# Altium PCB Omarichet_EPS - Copy.PcbDoc (part 2 of 3) (continued)
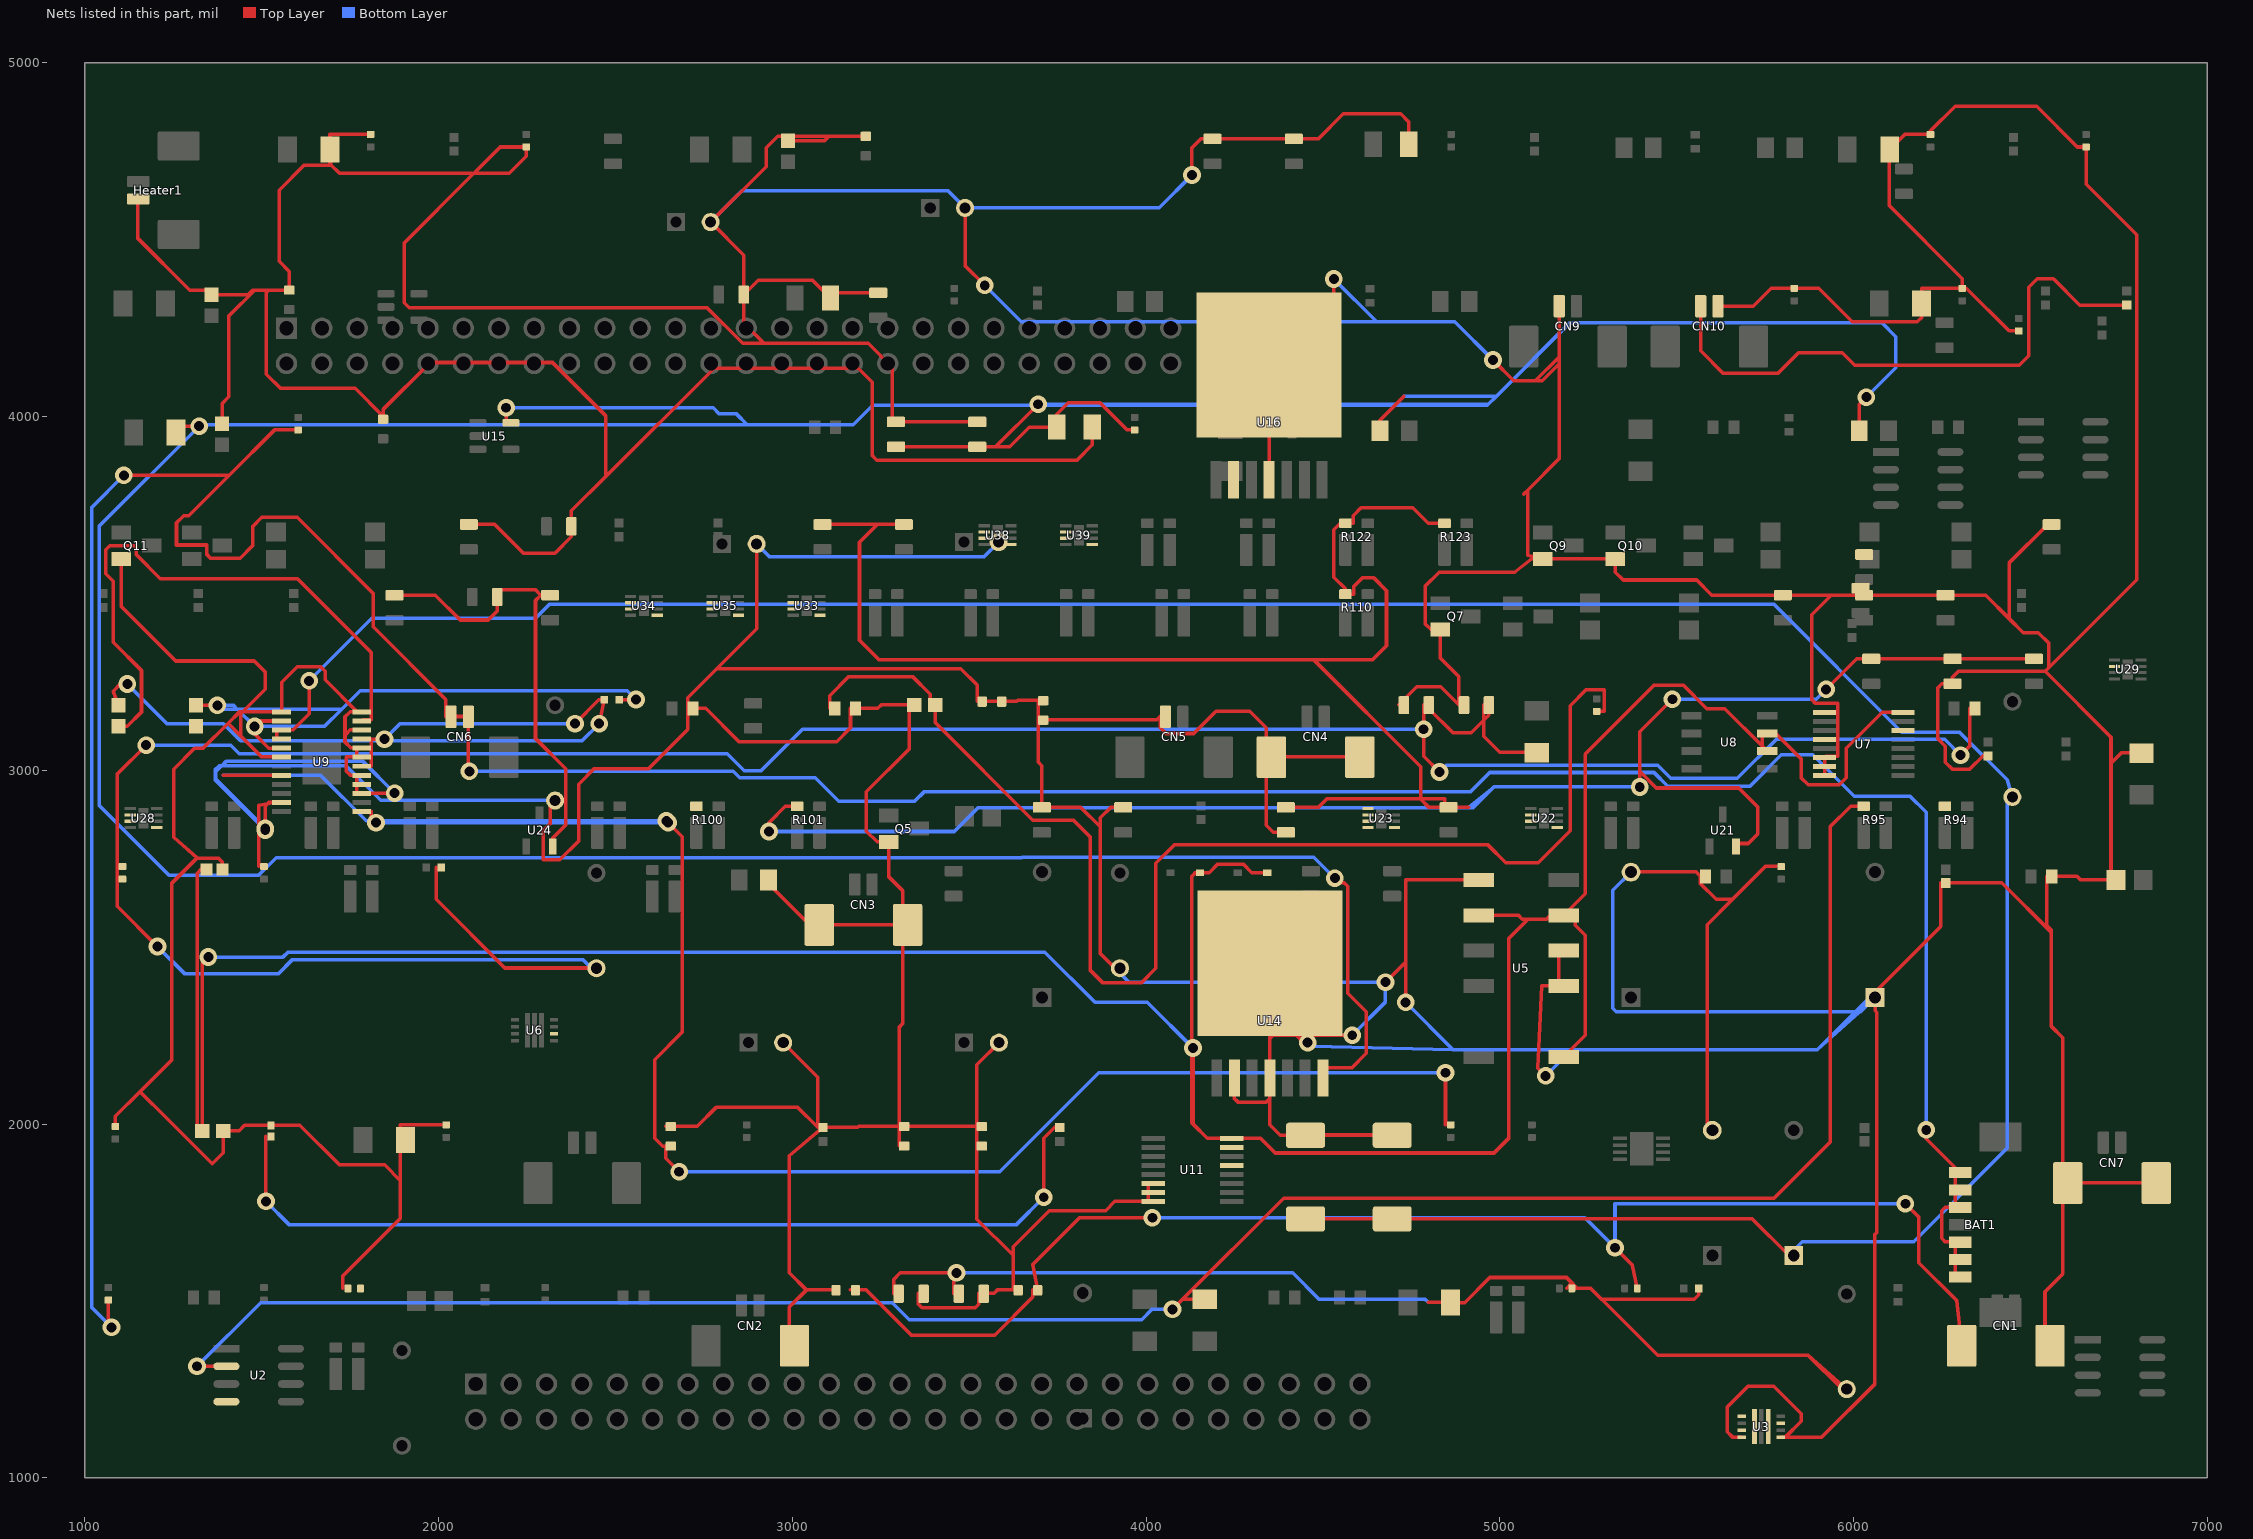
[diagram p2: the nets of this part, all layers, seen from the top]
## Part data (continued)
U9: library part LTC3119EUFD#PBF, "IC REG BCK BST ADJ 5A 28QFN", Manufacturer="Analog Devices / Linear Technology", Supplier Part Number 1=LTC3119EUFD#PBF-ND, ComponentLink1Description=http://www.linear.com/docs/56069?src-supplier=Digi-Key, ComponentLink1URL=http://www.linear.com/docs/56069?src-supplier=Digi-Key, Manufacturer Part Number=LTC3119EUFD#PBF, Pricing 1="1=14.26, 10=13.105, 25=12.5616, 100=10.5245, 250=9.8455, 500=9.1665, 1000=9.0307 (USD)", RoHS Compliant=Yes, Stock 1=0, Supplier 1=Digi-Key
U10: library part CMP-019-00012-3, "Lithium Ion Battery Charger for Solar-Powered System, 4.4 to 6 V, 650 uA, -40 to 85 degC, 8-Pin DFN, RoHS", Case/Package=DFN-8, Manufacturer="Consonance Electronic", Package Description="8-Pin Small Outline No-lead Package, Body 3 x 3 mm, Pitch 0.5 mm", Datasheet URL=http://www.consonance-elec.com/pdf/datasheet/DSE-CN3065.pdf, Datasheet Version="Rev. 1.0, 09/2009", Manufacturer URL=http://www.consonance-elec.com/, Mounting Technology=SM, Package Reference=DFN-8, RoHS Compliant=Unknown
U14 U16: library part LMZ22005TZX/NOPB, "DC DC CONVERTER 0.8-6V", Manufacturer="TI National Semiconductor", Max Input Voltage=20V, Max Operating Temperature=85°C, Max Power Dissipation=30W, Min Input Voltage=6V, Min Operating Temperature=-40°C, Output Current=5A, Package Quantity=500, Supplier Part Number 1=296-43603-1-ND, Switching Frequency=950kHz, ComponentLink1Description=http://www.ti.com/lit/ds/symlink/lmz22005.pdf?src-supplier=Digi-Key, ComponentLink1URL=http://www.ti.com/lit/ds/symlink/lmz22005.pdf?src-supplier=Digi-Key, Contact Plating=Tin,Matte, Efficiency=92%, Features=UVLO, Height=0.18inch, Lead Free="Lead Free", Length=0.4inch, Manufacturer Part Number=LMZ22005TZX/NOPB, Mount="Surface Mount", Number of Outputs=1, Number of Pins=7, Output Power=30W, Output Voltage=6V, Packaging="Tape and Reel", Pricing 1="1=9.19, 5=9.124, 10=9.055, 25=8.9156, 50=8.637, 100=7.8012, 250=7.6619 (USD)", Stock 1=2457, Supplier 1=Digi-Key, Voltage - Output 1=6V, Width=0.54inch
U15 U17: library part LT6106HS5#TRPBF, "IC OPAMP CURR SENSE TSOT23-5", Current - Supply=70µA, Manufacturer="Linear Technology", Manufacturer Part Number=LT6106HS5#TRMPBF, Operating Temperature="-40°C ~ 125°C", Package / Case="SOT-23-5 Thin, TSOT-23-5", Supplier Device Package=TSOT-23-5, Supplier Part Number 1=LT6106HS5#TRMPBFCT-ND, Voltage - Supply, Single/Dual (±)="2.7 V ~ 36 V", Amplifier Type="Current Sense", Base Part Number=LT6106, Category="Integrated Circuits (ICs)", ComponentLink1Description=http://www.linear.com/docs/24992, ComponentLink1URL=http://www.linear.com/docs/24992, Mounting Type="Surface Mount", Output Type=-, Packaging="Cut Tape (CT)", Part Status=Active, Pricing 1="1=2.3, 25=2.0504, 100=1.3586, 250=1.24544 (USD)", RoHS="RoHS Compliant", Slew Rate=-, Stock 1=7462, Supplier 1=Digi-Key
U21 U24: "MOSFET N-CH 25V 5.8A SOT23", Case/Package=SOT-23, Continuous Drain Current (ID)=5.8A, Drain to Source Breakdown Voltage=25V, Drain to Source Resistance=41mR, Gate to Source Voltage (Vgs)=20V, Input Capacitance=430pF, Manufacturer="International Rectifier", Max Operating Temperature=150°C, Max Power Dissipation=1.25W, Min Operating Temperature=-55°C, On-State Resistance=41MR, Package Quantity=1, Supplier Part Number 1=IRFML8244TRPBFCT-ND, Threshold Voltage=1.7V, ComponentLink1Description=http://farnell.com//datasheets/1911843.pdf?src-supplier=Farnell, ComponentLink1URL=http://farnell.com//datasheets/1911843.pdf?src-supplier=Farnell, Drain to Source Voltage (Vdss)=25V, Element Configuration=Single, Fall Time=2.9ns, Height=1.02mm, Lead Free="Lead Free", Length=3.04mm, Manufacturer Part Number=IRFML8244TRPBF, Mount="Surface Mount", Nominal Vgs=1.7V, Number of Elements=1, Number of Pins=3, Packaging="Tape and Reel", Power Dissipation=1.25W, Pricing 1="1=0.47, 10=0.357, 25=0.3216, 100=0.1697, 500=0.1503, 1000=0.117 (USD)", Radiation Hardening=No, Rds On Max=24mR, REACH SVHC="No SVHC", Recovery Time=17ns, Rise Time=2.1ns, Stock 1=12011, Supplier 1=Digi-Key, Turn-Off Delay Time=9ns, Turn-On Delay Time=2.7ns, Width=1.4mm
U22 U23 U28 U29 U33 U34 U35 U38 U39: library part LTC4361HTS8-2#TRMPBF, "IC OVERVOLT PROT CONT TSOT23-8", Base Part Number=LTC4361-2, Current - Supply=220µA, Manufacturer="Linear Technology", Manufacturer Part Number=LTC4361ITS8-2#TRMPBF, Operating Temperature="-40°C ~ 85°C", Package / Case="SOT-23-8 Thin, TSOT-23-8", Supplier Device Package=TSOT-23-8, Supplier Part Number 1=LTC4361ITS8-2#TRMPBFCT-ND, Voltage - Supply="2.5 V ~ 80 V", Applications="Handheld/Mobile Devices", Category="Integrated Circuits (ICs)", ComponentLink1Description=http://www.linear.com/docs/29266, ComponentLink1URL=http://www.linear.com/docs/29266, Mounting Type="Surface Mount", Packaging="Cut Tape (CT)", Part Status=Active, Pricing 1="1=3.87, 25=3.4596, 100=2.2889, 250=2.09816 (USD)", RoHS="RoHS Compliant", Stock 1=1487, Supplier 1=Digi-Key

## Via types
v1: diameter 50, hole 28, Top Layer to Bottom Layer, 190 vias

## Nets (pads, with @x,y where several pads share a name; then routed paths per layer and width w, separated by ;. In a path a pad name is that pad's centre, name@x,y a point inside that pad or via, vN(x,y) a via of type N, cw(c..) or ccw(c..) an arc to the next point about the centre after c; other vN are vias at no path point)
3V3_1_COM: C23.1 C24.1 C25.1 R56.1 R59.2 R60.1 R62.1 R65.2 U14.7 U15.5 | length 14220.6
  Top Layer w10: R65.2@1257.95,3955 1257.95,3973 v1(1323,3973) ; v1(2191,4025) 2191,3982.4 U15.5@2204.57,3982.4 ; C23.1@3292.91,3914.57 C24.1@3522.91,3914.57 3574.57,3914.57 ; v1(3695,4035) 3574.57,3914.57 ; R62.1@3967.91,3962.28 3946.72,3962.28 3870,4039 3780,4039 3747.72,4006.72 C25.1@3747.72,3970 3669.75,3970 3614.31,3914.57 3574.57,3914.57 ; U14.7@4500,2130 4500,2158.5 4581.5,2158.5 4623,2200 4623,2317 4570,2370 4570,2672 4560,2682 4534,2682 v1(4534,2695) ; R60.1@4661.57,3960 4661.57,3990 4728.57,4057 ; R56.1@6016.57,3960 6016.57,4035 v1(6036.57,4055)
  Bottom Layer w10: v1(2191,4025) 2776.09,4025 2792.48,4008.61 2840.86,4008.61 2872.48,3977 ; v1(3695,4035) 4967.94,4035 ; v1(4534,2695) 4474.51,2754.49 3650,2754.49 3648.51,2753 1541,2753 1491,2703 1237.94,2703 1040,2900.94 1040,3690 v1(1323,3973) 1327,3977 2872.48,3977 ; 4728.57,4057 4989.94,4057 ; v1(6036.57,4055) 6120,4138.43 6120,4226 6080,4266 5198.94,4266 4989.94,4057 ; 2872.48,3977 3172,3977 3227,4032 3695,4032 4964.94,4032 4967.94,4035 ; 4967.94,4035 4989.94,4057
3V3_BUS: R94.3 U22.3 U22.5
3V3_COM: R10.2 R95.3 U2.2 U2.4 U23.3 U23.5 | length 6075.9
  Top Layer w10: v1(1317,1315) U2.2@1400,1315 ; v1(4075,1476) 4103.06,1504.06 ; R10.2@4166.18,1504.06 4103.06,1504.06 ; R95.3@6028.94,2898.15 5992.15,2898.15 5934,2840 5934,1948.37 5775.63,1790 4389,1790 4103.06,1504.06
  Bottom Layer w10: v1(1317,1315) 1497,1495 3283,1495 3331,1447 3988,1447 4017,1476 v1(4075,1476)
3V3_COM_1: R100.3
+5V: C6.1 C21.1 D3.2 D4.2 U5.1 U5.5 U5.8 U7.16 U8.6 U8.7 U11.16 | length 9431.7
  Top Layer w10: C21.1@1317.22,1980.75 1317.22,2708.86 C6.1@1329.11,2720.75 ; C21.1@1331.66,1980 1331.66,2454.66 v1(1349,2472) ; v1(4133,2215) 4133,2000 ; 4138.29,2710.75 4179,2710.75 4203.25,2735 4275,2735 4299.25,2710.75 4328.29,2710.75 ; D3.2@4152.72,2710 4140,2710 4130,2700 4130,2003 4133,2000 ; U11.16@4227.75,1960.31 4322.69,1960.31 4365.01,1918 4984,1918 5024.98,1958.98 5024.98,2523.98 5080,2579 ; U11.16@4242.18,1959.57 4173.43,1959.57 4133,2000 ; U5.8@4926.67,2590.75 5052.37,2590.75 5064.11,2579 5080,2579 ; U5.5@5166.83,2590.75 5144.11,2590.75 5132.37,2579 5080,2579 ; U5.1@5181.26,2190 5242,2250.74 5242,2534 5214,2562 5214,2590 U5.5@5181.26,2590 5242,2650.74 5242,3046 5437,3241 5519,3241 5585.75,3174.25 5636.68,3174.25 5742.25,3068.69 ; U8.6@5756.68,3054.25 5742.25,3068.69 ; U7.16@6140.43,3163.82 6081.82,3163.82 5980,3062 5980,2979 5960,2959 5872,2959 5853.17,2977.83 5853.17,3031.08 5780,3104.25 U8.7@5756.68,3104.25 5742.25,3104.25 5742.25,3068.69
  Bottom Layer w10: v1(1349,2472) 1560,2472 1574,2486 3714,2486 3856,2344 4004,2344 v1(4133,2215)
+5V_BUS: C44.2 C46.2 C49.2 C50.2 C52.2 C57.2 C59.2 C61.2 C66.2 C68.2 R101.3 R110.3 R122.3 R123.3 U21.2 U22.2 U23.2 U24.2 U28.2 U28.3 U28.5 U29.2 U33.2 U33.3 U33.5 U34.2 U34.3 U34.5 U35.2 U35.3 U35.5 U38.2 U38.3 U38.5 U39.2 U39.3 U39.5 | length 10072
  Top Layer w10: C59.2@1875.43,3495.04 1991,3495.04 2061.14,3424.9 2140,3424.9 2165.47,3450.38 C61.2@2165.47,3490 2165.47,3510.07 2274.01,3510.07 2289.04,3495.04 ; C57.2@2315.43,3495.04 2289.04,3495.04 ; U24.2@2322.83,2785 2322.83,2808.79 2359.42,2845.37 2359.42,3004.42 2274,3089.84 2274,3480 2289.04,3495.04 ; v1(2934,2827) 2934,2852.15 2980,2898.15 R101.3@3013.94,2898.15 ; C66.2@3085.43,3695.04 3240,3695.04 ; C68.2@3315.43,3695.04 3240,3695.04 ; C46.2@4395.43,2895.04 4487,2895.04 4510.96,2919 4776.96,2919 ; R123.3@4843.94,3698.15 4797.85,3698.15 4754,3742 4608,3742 4586,3720 4586,3698.15 R122.3@4563.94,3698.15 4549.15,3698.15 4531,3680 4531,3546 4563,3514 4563,3498.15 R110.3@4563.94,3498.15 4588,3498.15 4588,3520 4613,3545 4643,3545 4680,3508 4680,3352 4640,3312 4475,3312 ; 4911.96,2895.04 C44.2@4855.43,2895.04 C44.2@4845,2895.04 ; v1(5396,2953) 5396,2997 ; v1(5488,3201) 5396,3109 5396,2997 ; U21.2@5667.83,2785 5667.83,2793 5703,2793 5730,2820 5730,2896.29 5676.29,2950 5443,2950 5396,2997 ; v1(5922.96,3229) 6009,3315.04 C52.2@6050.43,3315.04 C49.2@6280.43,3315.04 C50.2@6510.43,3315.04 ; 3240,3695.04 3190,3645.04 3190,3368 3246,3312 4475,3312 ; 4475,3312 4776.96,3010.04 4776.96,2919 ; 4776.96,2919 4776.96,2918.08 4800,2895.04 C44.2@4845,2895.04 ; 4776.96,2919 4845,2919 C44.2@4845,2895.04
  Bottom Layer w10: v1(2934,2827) 3458,2827 3525,2894 4925,2894 4984,2953 ; 4911.96,2895.04 4984,2953 ; v1(5396,2953) 4984,2953 ; v1(5488,3201) 5894.96,3201 v1(5922.96,3229)
+8.82Vout2: C7.2 C8.2 D6.1 L2.2 R35.2 R36.1 R36.2 R41.1 U6.5 | length 8648.1
  Top Layer w10: v1(1173,3071) 1091.75,2989.75 1091.75,2692.28 1091.75,2615.25 v1(1205,2502) ; 1992.91,2725.75 1992.91,2635.09 2186.9,2441.1 D6.1@2431.75,2441.1 ; C7.2@4785.04,3185 v1(4785.04,3116) 4785.04,3039.96 v1(4830,2995) ; C7.2@4799.47,3184.25 4799.47,3174.37 4867.84,3106 4920,3106 4955.04,3141.04 ; C8.2@4955.04,3185 4955.04,3141.04 ; C8.2@4969.47,3184.25 4969.47,3155.47 4955.04,3141.04 ; R41.1@5090,3050.94 5000,3050.94 4955.04,3095.9 4955.04,3141.04 ; v1(6303,3043) 6329.53,3069.53 6329.53,3174.25 R35.2@6329.53,3175
  Bottom Layer w10: v1(1173,3071) 1412.75,3071 1436.75,3047 2815.83,3047 2864.3,2998.53 2911.53,2998.53 3029,3116 v1(4785.04,3116) ; v1(1205,2502) 1282.79,2424.21 1546.14,2424.21 1586.93,2465 2407.85,2465 D6.1@2431.75,2441.1 ; v1(4830,2995) 4848.83,3013.83 5447.29,3013.83 5483.8,2977.32 5671.9,2977.32 5782.58,3088 6258,3088 v1(6303,3043)
+8.82Vout3: C15.1 C16.1 D8.1 R47.1 U9.3 U9.4 | length 8522.9
  Top Layer w10: U9.4@1541.75,3088.98 U9.3@1541.75,3114.57 ; U9.3@1556.18,3113.82 1588.57,3114.57 1634,3160 v1(1634,3253) ; C16.1@4436.75,1732.64 5712.69,1732.64 R47.1@5816.75,1628.58
  Bottom Layer w10: v1(1634,3253) 1811,3430 2274,3430 2314,3470 5775,3470 6137,3108 6300,3108 6435,2973 D8.1@6449.43,2924.61 ; R47.1@5816.75,1628.58 5855.7,1667.53 6170.53,1667.53 6435,1932 D8.1@6435,2925.35
BATT_+: BAT1.1 BAT1.2 BAT1.3 BAT1.5 BAT1.6 BAT1.7 CN6.1 CN6.2 R16.1 R64.1 | length 10481.5
  Top Layer w10: R16.1@1066.18,1502.28 1066.18,1433.82 v1(1075,1425) ; v1(1110,3834) 1407.78,3834 ; R64.1@1602.91,3962.28 1536.06,3962.28 1407.78,3834 ; CN6.2@2069.61,3152.09 2020.39,3152.09 2020.39,3200 1815,3405.39 1815,3500 1600,3715 1500,3715 1474,3689 1474,3635 1439,3600 1355,3600 1345,3610 1345,3637 1259,3637 1259,3700 1279,3720 1293.78,3720 1407.78,3834 ; CN6.2@2084.04,3151.34 2084.04,2999.96 v1(2087,2997) ; v1(6206,1983.39) 6206,1958.65 BAT1.7@6302.01,1862.64 ; BAT1.1@6287.58,1568.11 6287.58,1665.79 6287.58,1666.54 6260,1666.54 6250,1676.54 6250,1754.96 6260,1764.96 6287.58,1764.96 BAT1.7@6287.58,1863.39
  Bottom Layer w10: v1(1075,1425) 1020,1480 1020,3744 v1(1110,3834) ; v1(2087,2997) 2832.83,2997 2851.3,2978.53 3064.47,2978.53 3130.93,2912.07 3345.68,2912.07 3373.61,2940 4918,2940 4971.83,2993.83 5436.18,2993.83 5475.01,2955 5707.83,2955 5796.35,3043.52 5885.48,3043.52 6002,2927 6160,2927 6206,2881 v1(6206,1983.39)
GND: C1.1 C2.1 C3.2 C4.2 C5.1 C6.2 C7.1 C8.1 C9.1 C9.2 C10.1 C10.2 C11.1 C15.2 C16.2 C17.1 C17.2 C18.1 C18.2 C19.2 C20.2 C21.2 C22.2 C23.2 C24.2 C25.2 C26.2 C27.2 C28.2 C29.2 C30.2 C31.2 C32.2 C33.2 C34.2 C35.2 C36.2 C37.2 C38.2 C39.2 C40.2 C41.2 C42.2 C43.2 C46.1 C47.2 C48.2 C49.1 C54.2 C55.2 C56.2 C63.2 C64.2 C65.2 C70.2 C71.2 CN1.MP2 CN2.MP2 CN3.MP1 CN3.MP2 CN4.MP1 CN4.MP2 CN5.1 CN7.MP1 CN7.MP2 CN9.1 CN10.2 D5.1 D7.1 Heater1.1 Q5.2 Q7.2 Q9.2 Q10.2 Q11.2 R17.2 R19.1 R20.2 R21.1 R22.1 R23.1 R24.2 R25.1 R26.2 R31.2 R34.2 R42.2 R43.2 R46.2 R52.2 R53.2 R54.2 R67.1 R71.2 R72.2 R73.2 R80.1 R82.2 R83.2 R90.1 R92.2 R93.2 U3.3 U3.4 U3.11 U5.3 U5.4 U5.7 U7.6 U7.7 U7.8 U9.1 U9.6 U9.11 U9.15 U9.16 U9.17 U9.19 U9.20 U9.22 U9.24 U11.6 U11.7 U11.8 U14.2 U14.4 U14.8 U16.2 U16.4 U16.8 U23.1 U23.4 | length 56875.8
  Top Layer w10: C22.2@1086.18,1992.72 1086.18,2021.58 1155.8,2091.2 ; Q11.2@1102.13,3597.6 1103,3597.6 1103,3463 1256.94,3309.06 1478.94,3309.06 1510,3278 1510,3228.75 1446.32,3165.07 ; Heater1.1@1150.83,4615.39 1150,4615.39 1150,4503.53 1296.53,4357 1357.91,4357 C36.2@1357.91,4344.53 1461,4344.53 1474.03,4357.56 1480,4357.56 ; C21.2@1376.28,1980.75 1436,1980.75 1451.35,1996.1 1607.9,1996.1 1719.67,1884.33 1847.46,1884.33 1891.79,1840 ; C29.2@1387.91,3979.53 1387.91,4036.91 1407,4056 1407,4284.56 1480,4357.56 ; C6.2@1388.82,2720 1388.82,2740 1376.82,2752 1317,2752 ; C21.2@1390.71,1980 1390.71,1918.71 1360,1888 1231,2016 1155.8,2091.2 ; 1491.75,2728.46 1491.75,2901.59 1515.7,2905.54 ; v1(1510,2831) v1(1510,2836) 1510,2899.09 ; U9.6@1541.75,3037.8 1500,3037.8 1440,3097.8 ; U9.1@1541.75,3165.75 1446.32,3165.07 ; U9.11@1556.18,2909.09 U9.11@1537.22,2909.09 ; 1729.03,1535.75 1729.03,1570.24 1891.79,1733 1891.79,1840 ; U9.15@1768.25,2935.43 1768.25,2961.02 1768.25,2986.61 1750,2986.61 1739.39,2997.23 1739.39,3037.18 1740,3037.8 1768.25,3037.8 1768.25,3063.39 1751.81,3063.39 1735.34,3079.85 1735.34,3100 ; U9.22@1768.25,3114.57 1749.91,3114.57 1735.34,3100 ; U9.24@1768.25,3165.75 1750,3165.75 1735.34,3151.09 1735.34,3100 ; U9.15@1782.68,2934.69 v1(1875.65,2935.43) ; U9.24@1782.68,3165 1769.82,3165 1679.28,3255.53 1679.28,3280 1666.28,3293 1600,3293 1556.18,3249.18 U9.1@1556.18,3165 1446.25,3165 ; R92.2@1807.91,4797.72 1692.95,4797.72 R93.2@1692.95,4755 ; C28.2@1842.91,3992.56 C28.2@1842.91,4001 ; 2006.75,1998.46 1891.79,1998.46 1891.79,1840 ; C70.2@2085.43,3695.04 2158.37,3695.04 2240,3613.41 2328.88,3613.41 2375.47,3660 C71.2@2375.47,3690 2375.47,3733.47 2472,3830 ; D7.1@2315,2915.35 2315,2849 2296,2830 2296,2747 2343,2747 2396,2800 2396,2961 2440,3005 2594,3005 2704.53,3115.53 R43.2@2704.53,3175 ; C19.2@2641.75,1993.31 2731.31,1993.31 2785.88,2047.88 3014.31,2047.88 3071.75,1990.43 ; C33.2@2899.21,3640 2899.21,3400 2786.21,3287 ; R31.2@2932.52,2690 2932.52,2679 3048.61,2562.91 CN3.MP1@3076.18,2562.91 ; C26.2@2974.21,2230 3071.75,2132.46 3071.75,1990.43 ; C43.2@2987.91,4779.53 3091,4779.53 3104.03,4792.56 ; CN2.MP2@2991.75,1373.66 2991.75,1482.5 3040,1530.75 ; R52.2@3086.18,1989.69 2991.75,1910.43 2991.75,1579 3040,1530.75 ; 3109.19,1530.75 3040,1530.75 ; C2.1@3123.62,1530 3040,1530.75 ; C42.2@3207.91,4792.56 3104.03,4792.56 ; C30.2@3242.91,4350.04 3108.11,4350.04 C32.2@3108.11,4335 3057.11,4386 2903.95,4386 C31.2@2862.95,4345 ; C17.1@3301.75,1938.19 C17.2@3301.75,1993.31 ; C3.2@3356.79,1520.75 3356.79,1490 3366.79,1480 3516.79,1480 3526.79,1490 3526.79,1521.89 3571.15,1521.89 3580,1530.75 3624.19,1530.75 3624.19,1628.6 ; C41.2@3488.43,4590 3488.43,4426.57 v1(3544,4371) ; C24.2@3522.91,3985.04 C23.2@3292.91,3985.04 3282,3985.04 3282,4140 3215,4207 2920,4207 ; C27.2@3584.21,2230 3521.75,2167.54 C18.2@3521.75,1993.31 ; C25.2@3848.11,3970 3848.11,3920 3805.11,3877 3239,3877 3226,3890 3226,4097 3186,4137 2779,4137 2472,3830 ; D5.1@3911.75,2441.1 3871,2481.85 3871,2840 ; C47.2@3935.43,2895.04 3900,2895.04 3871,2866.04 3871,2840 ; U11.6@4005.75,1832.36 4005.75,1781.18 3912,1781.18 3885.82,1755 3726,1755 3624.19,1653.19 3624.19,1628.6 ; v1(4130,4683) 4130,4760 4155.04,4785.04 C37.2@4187.91,4785.04 C38.2@4417.91,4785.04 4487,4785.04 4557.96,4856 4720,4856 4743.11,4832.89 C39.2@4743.11,4770 ; U14.2@4250,2130 4250,2072 4260,2062 4340,2062 4350,2072 ; U16.4@4347.91,3821.5 U16.8@4347.91,4146 4531,4329.09 v1(4531,4389) ; U14.8@4350,2454.5 4350,2241 ; C46.1@4395.43,2824.57 4360,2824.57 4340,2844.57 CN4.MP1@4340,3037.91 ; U14.8@4404.21,2271.1 U14.8@4424.31,2251 ; C16.2@4436.75,1968.86 C15.2@4681.75,1968.86 ; C16.2@4451.18,1968.11 4380,1968.11 4350,1998.11 4350,2072 ; v1(4457,2230) 4445.31,2230 U14.8@4424.31,2251 ; v1(4583,2251) U14.8@4424.31,2251 ; CN4.MP2@4590,3037.91 CN4.MP1@4340,3037.91 ; v1(4677,2401) 4734,2458 ; C7.1@4714.57,3185 4765.57,3236 4833.57,3236 4884.57,3185 4884.57,3265 4832.13,3317.44 Q7.2@4832.13,3397.6 4806,3397.6 4789,3414.6 4789,3520 4829,3560 5042,3560 5090,3597.6 Q9.2@5122.13,3597.6 ; v1(4734,2344) 4734,2458 ; U5.7@4926.67,2690.75 4734.75,2690.75 4734,2690 4734,2458 ; v1(4981,4160) 5040,4101 5100.91,4101 ; 5067.91,3781 5079,3792.09 ; v1(5130,2136) 5108,2158 5118.75,2390.75 5166.83,2390.75 U5.4@5166.83,2490.75 ; CN9.1@5168.31,4312.09 5168.31,4168.39 ; R26.2@5356.75,2712.91 5555.06,2712.91 5567.22,2700.75 5567.22,2680 5612.22,2635 5658,2635 ; R46.2@5586.75,1982.91 5586.75,2563.75 5658,2635 ; CN10.2@5617.52,4312.09 5617.52,4312 5717,4312 5767.72,4362.72 R71.2@5832.91,4362.72 5902,4362.72 5996.72,4268 6180.95,4268 6192.95,4280 R72.2@6192.95,4320 6192.95,4362.72 R73.2@6307.91,4362.72 ; U3.11@5684.43,1114.88 5658.12,1114.88 5643,1130 5643,1200 5702,1259 5774.88,1259 5853,1180.88 5853,1159.88 5808,1114.88 ; 5781.75,2728.46 5751.46,2728.46 5658,2635 ; U3.4@5794.67,1114.88 5808,1114.88 ; U7.8@5918.43,2984.69 U7.7@5918.43,3010.28 U7.6@5918.43,3035.87 5922.57,3040 5956,3040 5956,3189 5893,3189 5882,3200 5882,3440 5937.04,3495.04 ; R23.1@6046.75,2358.58 6246.75,2558.58 6246.75,2682.05 6419.58,2682.05 6560,2541.63 ; R23.1@6061.18,2357.83 6061.18,2321.19 6066,2316.38 6066,1693 6061,1688 6061,1265 5910.88,1114.88 5808,1114.88 ; C49.1@6280.43,3244.57 C49.1@6280,3244.57 ; 6366.75,3041.06 6328.27,3002.58 6280,3002.58 6260,3022.58 6260,3068 6239,3089 6239,3233.57 6250,3244.57 C49.1@6280,3244.57 ; R67.1@6467.91,4242.28 6440,4242.28 6319.57,4362.72 R73.2@6307.91,4362.72 ; CN1.MP2@6541.75,1373.66 6541.75,1526 6591.75,1576 CN7.MP1@6591.75,1833.66 ; C64.2@6560.43,3695.04 6549,3695.04 6440,3586.04 6440,3429.04 ; R17.2@6800,3049.06 6757.42,3049.06 6728.36,3020 ; CN7.MP2@6841.75,1833.66 CN7.MP1@6591.75,1833.66 ; 1155.8,2091.2 1245,2180.4 1245,2680 1317,2752 ; 1317,2752 1251,2810.83 1251,3003 1310,3062 1334,3062 1404.9,3132.9 ; 1404.9,3132.9 1437,3165 ; 1404.9,3132.9 1440,3097.8 ; 1437,3165 1446.25,3165 ; 1437,3165 1446.32,3165.07 ; 1440,3097.8 1440,3158.75 1446.25,3165 ; 1446.25,3165 1446.32,3165.07 ; 1480,4357.56 1520,4357.56 ; 1510,2899.09 1516.6,2905.69 ; 1510,2899.09 1510,2899.84 1515.7,2905.54 ; 1515.7,2905.54 1516.6,2905.69 ; 1515.7,2905.54 1520,2909.84 1541.75,2909.84 U9.11@1537.22,2909.09 ; 1516.6,2905.69 U9.11@1537.22,2909.09 ; 1516.6,2905.69 1520,2909.09 U9.11@1537.22,2909.09 ; 1520,4357.56 C35.2@1577.91,4357.56 1577.91,4410.09 1549,4439 1549,4640 1619,4710 1692.95,4710 1695.48,4712.52 ; 1520,4357.56 1513,4350.56 1513,4120 1553,4080 1763.91,4080 C28.2@1842.91,4001 ; R93.2@1692.95,4755 1695.48,4712.52 ; R93.2@1692.95,4755 1692.95,4715.05 1695.48,4712.52 ; 1695.48,4712.52 1720,4688 2094,4688 2097,4685 ; C28.2@1842.91,4001 1842.91,4020 1975.91,4153 2322,4153 2472,4003 2472,3830 ; 2097,4685 2100,4688 ; 2097,4685 1902.99,4490.99 1902.99,4322.01 1917,4308 2759,4308 2860,4207 2920,4207 ; 2100,4688 2174.28,4762.28 R90.1@2247.91,4762.28 2247.91,4735.91 2200,4688 2100,4688 ; R43.2@2704.53,3175 2755,3175 2849.14,3080.86 3125.39,3080.86 3164.53,3120 3164.53,3175 3242,3175 3252,3185 3330.47,3185 3330.47,3060.04 3209.57,2939.14 3209.57,2828.03 3240,2797.6 Q5.2@3272.13,2797.6 3272.13,2699.62 3311.75,2660 CN3.MP2@3311.75,2563.66 ; R43.2@2704.53,3175 2704.53,3205.32 2786.21,3287 ; 2786.21,3287 3476.44,3287 3522.44,3241 3522.44,3195 3635,3195 3637.56,3197.56 3695,3197.56 C10.1@3695,3142.44 ; C31.2@2862.95,4345 2862.95,4264.05 2920,4207 ; C31.2@2862.95,4345 2862.95,4456.26 C40.2@2769.21,4550 2926,4706.79 2926,4760 2958.56,4792.56 3104.03,4792.56 ; 3071.75,1990.43 3185,1990.43 3187.87,1993.31 C17.2@3301.75,1993.31 ; CN3.MP1@3076.18,2562.91 CN3.MP2@3311.75,2562.91 ; CN3.MP1@3076.18,2562.91 3076.18,2563.66 CN3.MP2@3311.75,2563.66 ; C17.2@3301.75,1993.31 C18.2@3521.75,1993.31 ; C17.2@3301.75,1993.31 3301.75,2273 3311.75,2283 CN3.MP2@3311.75,2562.91 ; CN3.MP2@3311.75,2562.91 CN3.MP2@3326.18,2562.91 3326.18,2563.66 CN3.MP2@3311.75,2563.66 ; CN3.MP2@3311.75,2562.91 CN3.MP2@3311.75,2563.66 ; C18.2@3521.75,1993.31 3521.75,1731.04 3624.19,1628.6 ; C10.1@3695,3142.44 4030.75,3142.44 4040.39,3152.09 4040.39,3120 4056.39,3104 4135,3104 4198,3167 4293,3167 4340,3120 CN4.MP1@4340,3037.91 ; C10.1@3695,3142.44 3695,3023.43 3705.43,3013 C48.2@3705.43,2895.04 3815.96,2895.04 3871,2840 ; 4350,2072 U14.4@4350,2130 4350,2241 ; 4350,2241 4360,2251 U14.8@4424.31,2251 ; 5079,3792.09 5168.31,3881.39 5168.31,4149.31 ; 5079,3792.09 5079,3608.6 Q9.2@5122.13,3597.6 ; 5100.91,4101 5120,4101 5168.31,4149.31 ; 5100.91,4101 5168.31,4168.39 ; Q9.2@5122.13,3597.6 Q10.2@5327.13,3597.6 5327.13,3560 5349.13,3538 5557.04,3538 5600,3495.04 C56.2@5800.43,3495.04 5937.04,3495.04 ; 5168.31,4149.31 5168.31,4168.39 ; 5937.04,3495.04 C54.2@6030.43,3495.04 C55.2@6260.43,3495.04 6374,3495.04 6440,3429.04 ; C49.1@6280,3244.57 6280,3263 6297,3280 6542,3280 ; R73.2@6307.91,4362.72 6307.91,4390.09 6102,4596 6102,4745 6102.95,4745 R83.2@6102.95,4755 6145.67,4797.72 R82.2@6217.91,4797.72 6217.91,4807.91 6287.48,4877.48 6518,4877.48 6633.2,4762.28 R80.1@6657.91,4762.28 6657.91,4657.09 6801,4514 6801,3539 6552,3290 ; 6440,3429.04 6480.04,3389 6523,3389 6552,3360 6552,3290 ; 6542,3280 6728.36,3093.64 6728.36,3020 ; 6542,3280 6552,3290 ; 6560,2541.63 6560,2547.91 6546.28,2561.63 6546.28,2700.75 6632,2700.75 6642,2690.75 6728.36,2690.75 6728.36,3020 ; 6560,2541.63 6560,2275.75 6591.75,2244 CN7.MP1@6591.75,1833.66
  Bottom Layer w10: v1(1510,2831) 1368,2973 1368,3001 1380,3013 1387,3013 ; v1(1510,2836) 1370,2976 1370,2996 1387,3013 ; v1(1875.65,2935.43) 1786.08,3025 1399,3025 1387,3013 ; D7.1@2315,2915.35 1836,2915.35 1738.35,3013 1387,3013 ; C40.2@2769.21,4550 2857.21,4638 3440.43,4638 C41.2@3488.43,4590 4037,4590 v1(4130,4683) ; C33.2@2899.21,3640 2934.8,3604.41 3542.83,3604.41 C34.2@3583.43,3645 ; v1(3544,4371) 3647,4268 4652,4268 ; D5.1@3911.75,2441.1 3951.85,2401 v1(4677,2401) 4677,2345 v1(4583,2251) ; v1(4457,2230) 4467,2220 4868,2210 ; v1(4531,4389) 4652,4268 ; v1(4734,2344) 4868,2210 ; v1(4981,4160) 4873,4268 4652,4268 ; v1(5130,2136) 5204,2210 ; R26.2@5371.18,2712.17 5320,2660.98 5320,2327 5330,2317 6005.17,2317 ; R23.1@6046.75,2358.58 6005.17,2317 ; 4868,2210 5204,2210 ; 5204,2210 5898.17,2210 ; 5898.17,2210 6005.17,2317 ; 5898.17,2210 6016.16,2317 ; 6005.17,2317 6016.16,2317 ; 6016.16,2317 R23.1@6061.18,2357.83 6020.35,2317 6016.16,2317
I_3V3: U7.4
I_5V: U7.1
I_BAT: U11.15
I_COM: U7.14
I_SA: U11.13
NC_SW2: CN10.1 R69.1 | length 1642.8
  Top Layer w10: CN10.1@5568.31,4312.09 5568.31,4185.69 5632,4122 5785.86,4122 5844.86,4181 5968,4181 6004,4145 6469,4145 6496,4172 6496,4366 6520,4390 6565.59,4390 6640.27,4315.31 R69.1@6772.91,4315.31
NetC1_2: C1.2 C2.2 CN1.MP1 R2.2 U3.1 U3.8 | length 3988.2
  Top Layer w10: 3164.31,1530.75 3209.25,1530.75 3337,1403 3572.31,1403 3679.31,1510 3679.31,1530.75 ; C1.2@3693.74,1530 3679.31,1602.31 3812,1735 v1(4018,1735) ; v1(5326,1650) 5374.47,1601.53 R2.2@5388.9,1535 ; v1(6147,1774.56) 6184.54,1737.02 6184.54,1608.21 6291.75,1501 CN1.MP1@6306.18,1372.91
  Bottom Layer w10: v1(4018,1735) 5241,1735 v1(5326,1650) 5326,1774.56 v1(6147,1774.56)
NetC3_1: C3.1 C4.1 D2.1 L1.2 R3.2 R4.2 U3.6 | length 3529.3
  Top Layer w10: C3.1@3286.32,1520.75 3286.32,1560 3305.32,1579 v1(3464,1579) 3456.32,1571.32 C4.1@3456.32,1520.75 ; 4798.25,1495.75 R4.2@4846.79,1495.75 ; R4.2@4861.22,1495 4901,1495 4972,1566 5189,1566 5204.36,1550.64 ; 5189.47,1535.75 5204.36,1550.64 ; R3.2@5203.9,1535 5257,1535 5287.31,1504.69 5288.06,1504.69 ; L1.2@5562.35,1535 5562.35,1517.04 5550,1504.69 5288.06,1504.69 ; D2.1@5966.75,1251.1 5871.85,1346 ; D2.1@5981.18,1250.35 5871.85,1346 ; 5204.36,1550.64 5211.95,1543.05 5219.25,1535.75 5257,1535.75 5288.06,1504.69 ; 5288.06,1504.69 5446.75,1346 5871.85,1346
  Bottom Layer w10: v1(3464,1579) 4415,1579 4489,1505 4789,1505 4798.25,1495.75
NetC5_2: C5.2 U3.10
NetC11_2: C11.2 R37.1 R42.1 | length 3706.3
  Top Layer w10: R42.1@3105.47,3175 3105.47,3210.47 3160,3265 3340,3265 3389.53,3215.47 C11.2@3389.53,3185 ; C11.2@3403.96,3184.25 3403.96,3135.04 3680,2859 3795,2859 3843,2811 3843,2434 3877,2400 3988,2400 4028,2440 4028,2737 4080,2789 4967,2789 5017,2739 5108.71,2739 5199,2829.29 5199,3183 5244,3228 5295,3228 5295,3166.54 R37.1@5274.43,3166.54
NetC13_1: C13.1 U9.23 | length 1697.3
  Top Layer w10: C13.1@1094.43,3124.72 1120,3124.72 1160,3164.72 1160,3282 1080,3362 1080,3535 1059,3556 1059,3624 1070,3635 1145,3635 1145,3610 1213,3542 1601,3542 1810,3333 1810,3143 1786.27,3143 U9.23@1782.68,3139.41
NetC13_2: C13.2 L3.1 U9.18 U9.21 | length 2415.7
  Top Layer w10: C13.2@1094.43,3183.78 1080,3224 1100,3244 v1(1120,3244) ; U9.18@1782.68,3011.46 1810,3011.46 1810,3088.23 ; U9.21@1782.68,3088.23 1810,3088.23 ; v1(1847,3088.23) 1810,3088.23 ; v1(2385.75,3132) 2453,3199.25 L3.1@2468.27,3199.25 v1(2453.84,3132)
  Bottom Layer w10: v1(1120,3244) 1232,3132 1391.75,3132 1440,3083.75 2405.59,3083.75 v1(2453.84,3132) ; v1(1847,3088.23) 1890.77,3132 v1(2385.75,3132)
NetC14_1: C14.1
NetC14_2: C14.2 L3.2 U9.2 U9.5 | length 1920.9
  Top Layer w10: C14.2@1314.43,3183.78 v1(1374.43,3183.78) ; U9.5@1556.18,3062.64 1520,3062.64 1480,3102.64 v1(1480,3124) 1495.41,3139.41 U9.2@1556.18,3139.41 ; L3.2@2510.6,3199.25 2557.25,3199.25 v1(2558,3200)
  Bottom Layer w10: v1(2558,3200) 2533,3225 1778,3225 1726,3173 ; 1431,3173 1726,3173 ; 1431,3173 1385.21,3173 v1(1374.43,3183.78) 1420.22,3183.78 1431,3173 ; 1431,3173 v1(1480,3124) 1677,3124 1726,3173
NetC19_1: C19.1 R49.2 U9.8 U9.13 | length 5881.6
  Top Layer w10: 1391.61,2986.61 U9.8@1556.18,2985.87 ; U9.13@1782.68,2883.5 1810,2883.5 1810,2865 v1(1823,2852) ; C19.1@2641.75,1938.19 C19.1@2641.75,1937.44 ; v1(2644,2857) v1(2649,2852) 2689,2812 2689,2260 2611,2182 2611,1960 2633.56,1937.44 C19.1@2641.75,1937.44 ; C19.1@2656.18,1937.44 C19.1@2641.75,1937.44 ; v1(2680,1865) 2641.75,1903.25 C19.1@2641.75,1937.44 ; 4846.75,1998.46 v1(4846.75,2145)
  Bottom Layer w10: 1391.61,2986.61 1665.39,2986.61 1795,2857 v1(2644,2857) ; v1(1823,2852) v1(2649,2852) ; v1(2680,1865) 3586.59,1865 3866.59,2145 v1(4846.75,2145)
NetC20_1: C20.1 R50.2 | length 2653.6
  Top Layer w10: v1(1511.75,1781.25) 1511.75,1965.39 ; v1(3711,1793) 3711,1959.68 3741.75,1990.43
  Bottom Layer w10: v1(1511.75,1781.25) 1578.39,1714.61 3632.61,1714.61 v1(3711,1793)